# KiCad board oculink-to-pcie-adapter.kicad_pcb (continued)
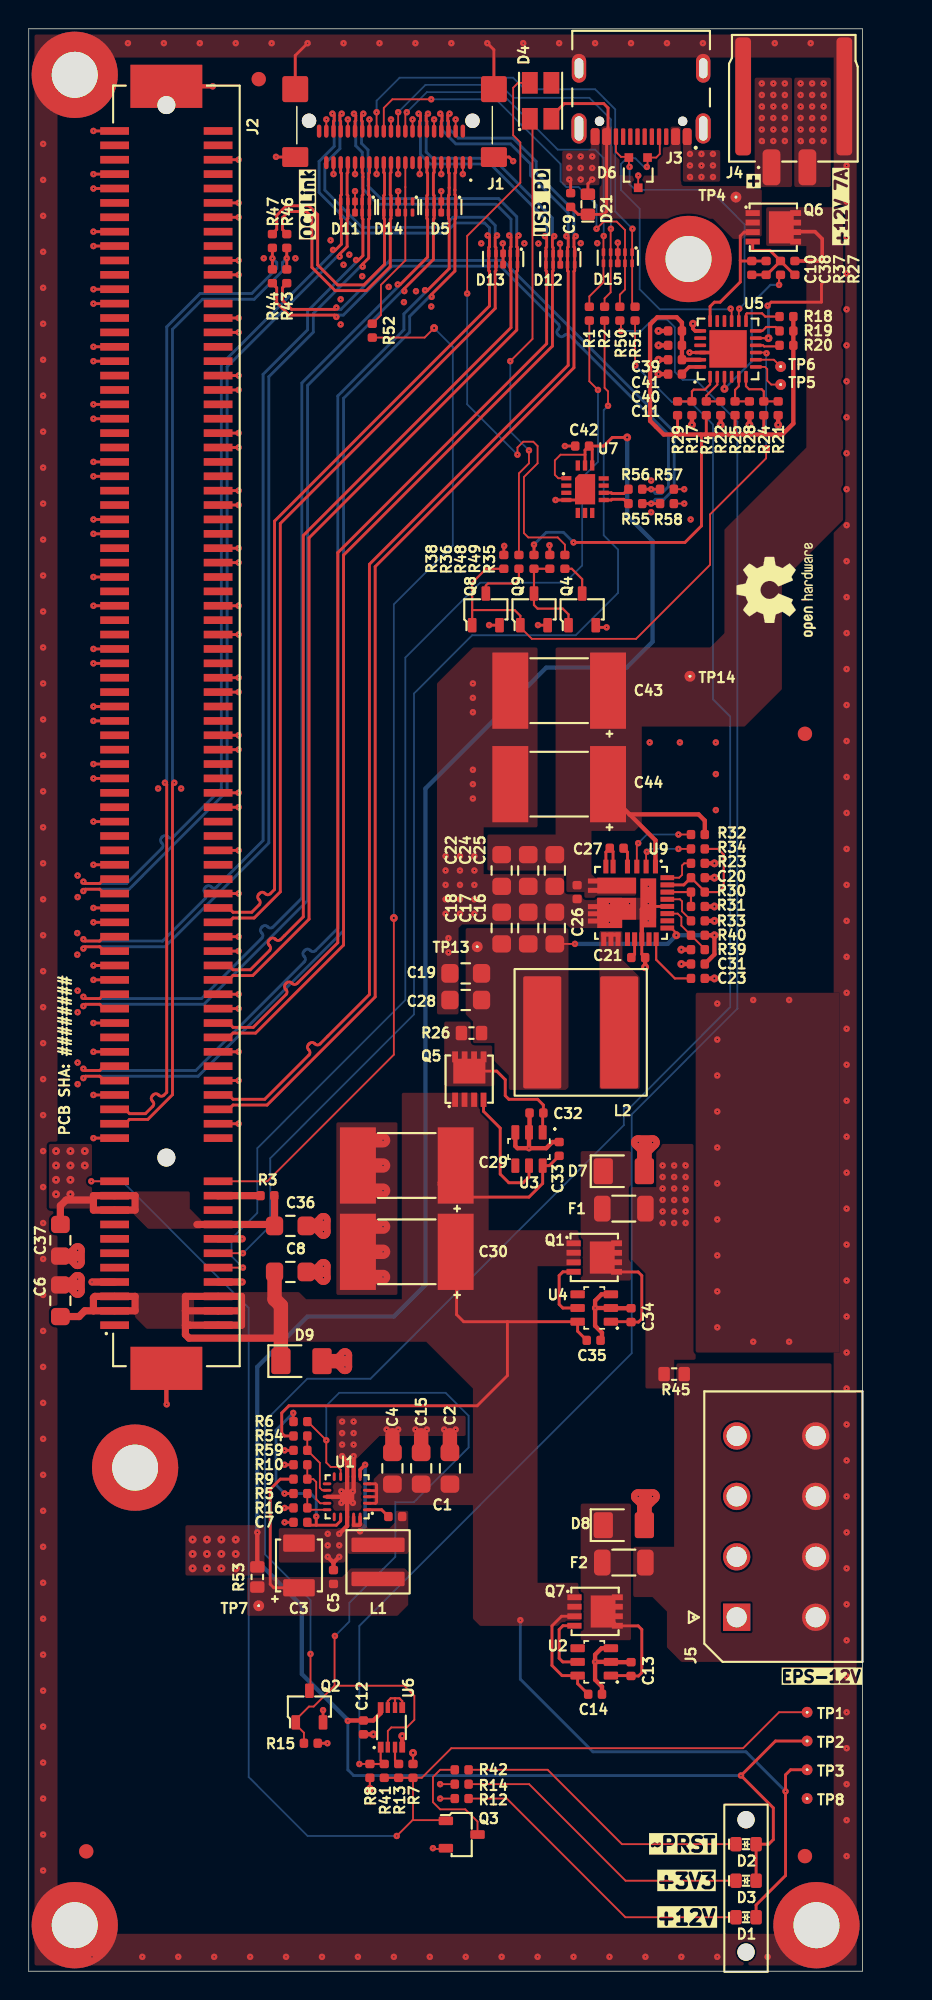
[diagram p0: board, top side]
## Routing (per net, layer and track width the routed paths; a pad name or vN(x,y) marks a point on that pad's centre or on a via; arc(x,y) is an arc through that point) (continued)
VBUS: length 24.4
  Top w0.2: D4.4 36.56,128.94 36.56,129.11 37.25,129.8 40,129.8 40.3,129.5 40.3,128.1 40.2,128 J3.A9 40.2,122.3 40,122.1 D21.1 38.22,122.1 C9.2 ; 49.5,118.9 49.54,118.86 C10.2 R27.2 ; 49.5,118.9 49.5,120.6 49.77,120.87 Q6.3 ; 49.5,118.9 49.5,117.4 48.1,116 47.7,116 47.4,115.7 U5.18
/OCuLink/I2C0.SCL: length 82.1
  Top w0.125: R1.2 39,110.5 v2(39.6,109.9) ; J2.B5 v2(14.9,48.9)
  Bottom w0.125: v2(14.9,48.9) 14.1,49.7 14.1,50.9 15.9,52.7 15.9,57.2 26.2,67.5 26.2,91.3 31.4,96.5 37.3,96.5 38.5,97.7 38.5,103.8 39.6,104.9 v2(39.6,109.9)
/OCuLink/I2C0.SDA: length 82.2
  Top w0.125: R2.2 40.06,110.04 40.3,109.8 v2(40.3,108.8) ; J2.B6 v2(14.9,49.9)
  Bottom w0.125: v2(40.3,108.8) 40,108.5 40,99.8 41,98.8 41,95.8 38.05,92.85 30.85,92.85 26.8,88.8 26.8,66.5 16.8,56.5 16.8,51.8 v2(14.9,49.9)
/OCuLink/I2C0C_SCL: length 28.3
  Top w0.125: v2(26.3,129.2) 26.2,129.1 J1.A9 ; R1.1 39,116.4 39.98,117.38 39.98,120.58 v2(40,120.6)
  Bottom w0.125: v2(40,120.6) 40,126 39.4,126.6 36.8,126.6 32.8,130.6 27.7,130.6 v2(26.3,129.2)
/OCuLink/I2C0C_SDA: length 31.1
  Top w0.125: v2(40.5,121.1) 40.48,121.08 40.48,116.68 40.06,116.26 R2.1 ; J1.A10 v2(25.7,129.2)
  Bottom w0.125: v2(25.7,129.2) 27.6,131.1 32.8,131.1 33.7,130.2 39,130.2 40.5,128.7 v2(40.5,121.1)
/OCuLink/PCIe_{REF0}.CK+: length 69.9
  Top w0.2: v2(10.12,82.6) 10,82.47 10,60.92 8.28,59.2 7.01,59.2 6.71,58.9 J2.A13 ; 17.95,118.33 v2(17.95,119.05) R46.2
  Bottom w0.2: v2(10.12,82.6) 10,82.72 10,114.12 12.08,116.2 15.68,116.2 17.65,118.17 17.65,118.75 v2(17.95,119.05)
/OCuLink/PCIe_{REF0}.CK-: length 69.9
  Top w0.2: v2(9.48,82.6) 9.6,82.47 9.6,61.08 9.39,60.88 arc(9.22,60.81) 9.05,60.88 9.01,60.92 arc(8.84,60.99) 8.67,60.92 8.59,60.83 arc(8.52,60.66) 8.59,60.49 8.63,60.45 arc(8.7,60.28) 8.63,60.11 8.12,59.6 7.01,59.6 6.71,59.9 J2.A14 ; 16.95,118.33 v2(16.95,119.05) R47.2
  Bottom w0.2: v2(16.95,119.05) 17.25,118.75 17.25,118.33 15.52,116.6 11.92,116.6 9.6,114.28 9.6,82.72 v2(9.48,82.6)
/OCuLink/PCIe_{REF0}_R.CK+: length 21.2
  Top w0.2: R46.1 17.95,120.75 17.65,121.06 17.65,121.87 18.08,122.3 19.32,122.3 19.7,121.92 19.7,118.42 21.32,116.8 23.48,116.8 25.15,118.47 25.15,121.77 25.2,121.82 D14.7 D14.4 25.2,123.41 25.15,123.46 25.15,124.96 25.2,125.01 J1.B12
/OCuLink/PCIe_{REF0}_R.CK-: length 21.2
  Top w0.2: R47.1 16.95,120.75 17.25,121.06 17.25,122.03 17.92,122.7 19.48,122.7 20.1,122.08 20.1,118.58 21.48,117.2 23.32,117.2 24.75,118.63 24.75,121.77 24.7,121.82 D14.6 D14.5 24.7,123.41 24.75,123.46 24.75,124.96 24.7,125.01 J1.B13
/OCuLink/PCIe_{x4}.RX0+: length 81.4
  Top w0.2: v2(28.03,116.37) 28.03,116.55 29.65,118.17 29.65,121.77 29.7,121.82 D5.10 D5.1 29.7,123.41 29.65,123.46 29.65,123.8 29.65,123.8 29.65,124.96 29.7,125.01 J1.B3 ; J2.A16 5.24,61.9 4.94,62.2 3.93,62.2 v2(3.8,62.08)
  Bottom w0.2: v2(28.03,116.37) 27.85,116.37 26.5,115.02 26.5,113.92 21.9,109.32 21.9,72.32 11.78,62.2 3.93,62.2 v2(3.8,62.08)
/OCuLink/PCIe_{x4}.RX0-: length 81.4
  Top w0.2: J2.A17 5.24,62.9 4.94,62.6 3.93,62.6 v2(3.8,62.72) ; v2(27.57,116.83) 27.75,116.83 29.25,118.33 29.25,121.77 29.2,121.82 D5.9 D5.2 29.2,123.41 29.25,123.46 29.25,123.95 29.25,123.96 29.25,124.96 29.2,125.01 J1.B4
  Bottom w0.2: v2(27.57,116.83) 27.57,116.65 26.1,115.18 26.1,114.08 21.5,109.48 21.5,72.48 19.95,70.93 arc(19.78,70.86) 19.61,70.93 19.57,70.97 arc(19.4,71.04) 19.23,70.97 19.14,70.88 arc(19.07,70.71) 19.14,70.54 19.18,70.5 arc(19.25,70.33) 19.18,70.17 19.1,70.08 11.62,62.6 3.93,62.6 v2(3.8,62.72)
/OCuLink/PCIe_{x4}.RX1+: length 76.1
  Top w0.2: v2(26.13,116.77) 26.13,116.95 28.15,118.97 28.15,121.77 28.2,121.82 D5.7 D5.4 28.2,123.41 28.15,123.46 28.15,124.96 28.2,125.01 J1.B6 ; J2.A21 5.24,66.9 4.94,67.2 3.93,67.2 v2(3.8,67.08)
  Bottom w0.2: v2(3.8,67.08) 3.93,67.2 12.18,67.2 19.4,74.42 19.4,110.22 25.95,116.77 v2(26.13,116.77)
/OCuLink/PCIe_{x4}.RX1-: length 76.1
  Top w0.2: J1.B7 27.7,125.01 27.75,124.96 27.75,123.46 27.7,123.41 D5.5 D5.6 27.7,121.82 27.75,121.77 27.75,119.13 25.85,117.23 v2(25.67,117.23) ; J2.A22 5.24,67.9 4.94,67.6 3.93,67.6 v2(3.8,67.72)
  Bottom w0.2: v2(25.67,117.23) 25.67,117.05 19,110.38 19,74.58 16.99,72.57 arc(16.82,72.5) 16.65,72.57 16.61,72.61 arc(16.44,72.68) 16.27,72.61 16.18,72.52 arc(16.11,72.35) 16.18,72.18 16.22,72.14 arc(16.29,71.97) 16.22,71.8 12.02,67.6 3.93,67.6 v2(3.8,67.72)
/OCuLink/PCIe_{x4}.RX2+: length 68.6
  Top w0.2: J2.A25 5.24,70.9 4.94,71.2 3.93,71.2 v2(3.8,71.07) ; v2(23.23,118.47) 23.23,118.65 23.65,119.07 23.65,121.77 23.7,121.82 D11.10 D11.1 23.7,123.41 23.65,123.46 23.65,124.54 23.65,124.55 23.65,124.96 23.7,125.01 J1.B15
  Bottom w0.2: v2(23.23,118.47) 23.05,118.47 19.8,115.22 19.8,113.92 16.7,110.82 16.7,78.42 9.48,71.2 3.93,71.2 v2(3.8,71.07)
/OCuLink/PCIe_{x4}.RX2-: length 68.6
  Top w0.2: J1.B16 23.2,125.01 23.25,124.96 23.25,124.7 23.25,124.7 23.25,123.46 23.2,123.41 D11.2 D11.9 23.2,121.82 23.25,121.77 23.25,119.23 22.95,118.93 v2(22.77,118.93) ; J2.A26 5.24,71.9 4.94,71.6 3.93,71.6 v2(3.8,71.72)
  Bottom w0.2: v2(22.77,118.93) 22.77,118.75 19.4,115.38 19.4,114.08 16.3,110.98 16.3,78.58 13.06,75.34 arc(12.89,75.27) 12.72,75.34 12.68,75.38 arc(12.51,75.45) 12.34,75.38 12.25,75.3 arc(12.18,75.13) 12.25,74.96 12.3,74.92 arc(12.37,74.75) 12.3,74.58 9.32,71.6 3.93,71.6 v2(3.8,71.72)
/OCuLink/PCIe_{x4}.RX3+: length 62.5
  Top w0.2: v2(3.8,75.07) 3.93,75.2 4.94,75.2 5.24,74.9 J2.A29 ; J1.B18 22.2,125.01 22.15,124.96 22.15,123.46 22.2,123.41 D11.4 D11.7 22.2,121.82 22.15,121.77 22.15,119.87 21.63,119.35 v2(21.63,119.17)
  Bottom w0.2: v2(3.8,75.07) 3.93,75.2 6.98,75.2 13.8,82.02 13.8,111.52 21.45,119.17 v2(21.63,119.17)
/OCuLink/PCIe_{x4}.RX3-: length 62.5
  Top w0.2: v2(3.8,75.72) 3.93,75.6 4.94,75.6 5.24,75.9 J2.A30 ; v2(21.17,119.63) 21.35,119.63 21.75,120.03 21.75,121.77 21.7,121.82 D11.6 D11.5 21.7,123.41 21.75,123.46 21.75,124.96 21.7,125.01 J1.B19
  Bottom w0.2: v2(3.8,75.72) 3.93,75.6 6.82,75.6 9.27,78.06 arc(9.34,78.23) 9.27,78.4 9.23,78.44 arc(9.16,78.61) 9.23,78.78 9.32,78.86 arc(9.49,78.93) 9.66,78.86 9.7,78.82 arc(9.87,78.75) 10.04,78.82 13.4,82.18 13.4,111.68 21.17,119.45 v2(21.17,119.63)
/OCuLink/PCIe_{x4}.TX0+: length 88.6
  Top w0.2: J2.B14 13.91,59.9 14.21,60.2 16.58,60.2 24.1,67.72 24.1,97.62 37.93,111.45 37.93,118.14 37.98,118.19 D12.10 D12.1 37.98,119.79 37.93,119.84 37.93,120.46 v2(38.05,120.59) ; v2(29.28,129.1) 29.15,128.97 29.15,128.62 29.2,128.57 J1.A3
  Bottom w0.2: v2(29.28,129.1) 29.15,128.97 29.15,128.13 29.88,127.4 33.68,127.4 35.3,125.78 35.3,124.98 37.93,122.35 37.93,120.71 v2(38.05,120.59)
/OCuLink/PCIe_{x4}.TX0-: length 88.6
  Top w0.2: J1.A4 28.7,128.57 28.75,128.62 28.75,128.97 v2(28.62,129.1) ; J2.B15 13.91,60.9 14.21,60.6 16.42,60.6 19.5,63.68 arc(19.57,63.85) 19.5,64.02 19.45,64.06 arc(19.38,64.23) 19.45,64.4 19.54,64.48 arc(19.71,64.55) 19.88,64.48 19.92,64.44 arc(20.09,64.37) 20.26,64.44 20.8,64.99 23.7,67.88 23.7,97.78 37.53,111.61 37.53,118.14 37.48,118.19 D12.9 D12.2 37.48,119.79 37.53,119.84 37.53,120.46 v2(37.4,120.59)
  Bottom w0.2: v2(28.62,129.1) 28.75,128.97 28.75,127.97 29.72,127 33.52,127 34.9,125.62 34.9,124.82 37.53,122.19 37.53,120.71 v2(37.4,120.59)
/OCuLink/PCIe_{x4}.TX1+: length 82.8
  Top w0.2: v2(36.56,120.59) 36.43,120.46 36.43,119.84 36.48,119.79 36.48,118.19 36.43,118.14 36.43,112.95 21.9,98.42 21.9,71.32 15.78,65.2 14.21,65.2 13.91,64.9 J2.B19 ; v2(27.78,129.1) 27.65,128.97 27.65,128.62 27.7,128.57 J1.A6
  Bottom w0.2: v2(36.56,120.59) 36.43,120.71 36.43,121.85 32.28,126 28.08,126 27.65,126.43 27.65,128.97 v2(27.78,129.1)
/OCuLink/PCIe_{x4}.TX1-: length 82.8
  Top w0.2: v2(27.12,129.1) 27.25,128.97 27.25,128.62 27.2,128.57 J1.A7 ; J2.B20 13.91,65.9 14.21,65.6 15.62,65.6 17.9,67.88 arc(17.97,68.05) 17.9,68.22 17.86,68.26 arc(17.79,68.43) 17.86,68.6 17.94,68.69 arc(18.11,68.76) 18.28,68.69 18.32,68.65 arc(18.49,68.58) 18.66,68.65 21.5,71.48 21.5,98.58 36.03,113.11 36.03,118.14 35.98,118.19 35.98,119.79 36.03,119.84 36.03,120.46 v2(35.91,120.59)
  Bottom w0.2: v2(35.91,120.59) 36.03,120.71 36.03,121.69 32.12,125.6 27.92,125.6 27.25,126.27 27.25,128.97 v2(27.12,129.1)
/OCuLink/PCIe_{x4}.TX2+: length 80.8
  Top w0.2: J2.B23 13.91,68.9 14.21,69.2 15.58,69.2 19.5,73.12 19.5,99.62 33.95,114.07 33.95,118.15 34,118.2 D13.10 D13.1 34,119.8 33.95,119.85 33.95,120.51 v2(34.08,120.64) ; J1.A15 23.2,128.57 23.15,128.62 23.15,128.97 v2(23.28,129.1)
  Bottom w0.2: v2(23.28,129.1) 23.15,128.97 23.15,127.03 23.6,126.58 23.6,124.08 24.48,123.2 32.68,123.2 33.95,121.93 33.95,120.76 v2(34.08,120.64)
/OCuLink/PCIe_{x4}.TX2-: length 80.8
  Top w0.2: J1.A16 22.7,128.57 22.75,128.62 22.75,128.97 v2(22.62,129.1) ; J2.B24 13.91,69.9 14.21,69.6 15.42,69.6 16.76,70.94 arc(16.83,71.11) 16.76,71.28 16.72,71.32 arc(16.65,71.49) 16.72,71.66 16.8,71.74 arc(16.97,71.81) 17.14,71.74 17.18,71.7 arc(17.35,71.63) 17.52,71.7 19.1,73.28 19.1,99.78 33.55,114.23 33.55,118.15 33.5,118.2 D13.9 D13.2 33.5,119.8 33.55,119.85 33.55,120.51 v2(33.43,120.64)
  Bottom w0.2: v2(22.62,129.1) 22.75,128.97 22.75,126.87 23.2,126.42 23.2,123.92 24.32,122.8 32.52,122.8 33.55,121.77 33.55,120.76 v2(33.43,120.64)
/OCuLink/PCIe_{x4}.TX3+: length 78.4
  Top w0.2: v2(32.58,120.64) 32.45,120.51 32.45,119.85 32.5,119.8 D13.4 D13.7 32.5,118.2 32.45,118.15 32.45,115.57 17.5,100.62 17.5,75.02 15.68,73.2 14.21,73.2 13.91,72.9 J2.B27 ; v2(21.78,129.1) 21.65,128.97 21.65,128.62 21.7,128.57 J1.A18
  Bottom w0.2: v2(21.78,129.1) 21.65,128.97 21.65,126.67 20.6,125.62 20.6,123.78 23.18,121.2 28.82,121.2 29.52,121.9 31.88,121.9 32.45,121.33 32.45,120.76 v2(32.58,120.64)
/OCuLink/PCIe_{x4}.TX3-: length 78.4
  Top w0.2: J1.A19 21.2,128.57 21.25,128.62 21.25,128.97 v2(21.12,129.1) ; v2(31.93,120.64) 32.05,120.51 32.05,119.85 32,119.8 D13.5 D13.6 32,118.2 32.05,118.15 32.05,115.73 17.1,100.78 17.1,75.18 16.8,74.88 arc(16.63,74.81) 16.46,74.88 16.42,74.92 arc(16.25,74.99) 16.08,74.92 15.99,74.84 arc(15.92,74.67) 15.99,74.5 16.03,74.46 arc(16.11,74.29) 16.03,74.12 15.52,73.6 14.21,73.6 13.91,73.9 J2.B28
  Bottom w0.2: v2(21.12,129.1) 21.25,128.97 21.25,126.83 20.2,125.78 20.2,123.62 23.02,120.8 28.98,120.8 29.68,121.5 31.72,121.5 32.05,121.17 32.05,120.76 v2(31.93,120.64)
/OCuLink/~{CPRSNTC}: length 34.6
  Top w0.125: v2(42,121.1) 41.98,121.08 D15.1 D15.10 41.98,115.88 R51.1 ; J1.A13 v2(24.2,129.2)
  Bottom w0.125: v2(24.2,129.2) 24.2,130 25.8,131.6 33.7,131.6 34.5,130.8 39.4,130.8 40.8,129.4 40.8,122.3 v2(42,121.1)
/OCuLink/~{CPRSNT}: length 116.3
  Top w0.125: v2(19.6,22.05) 19.6,19.57 Q2.3 ; v2(42.2,111.6) 42.18,111.62 R51.2
  Bottom w0.125: v2(19.6,22.05) 19.6,25.8 16.45,28.95 16.45,38.25 19.38,41.17 23.78,41.17 41.4,58.8 41.4,60 41.8,60 48.8,67 48.8,87.2 47.6,88.4 47.6,107.5 46.05,109.05 44.75,109.05 v2(42.2,111.6)
/OCuLink/~{PERSTC}: length 30
  Top w0.125: J1.A12 24.7,129.5 25.3,130.1 v2(28,130.1) ; R50.1 41.12,116.52 41.48,116.88 D15.9 D15.2 41.48,121.02 40.9,121.6 40,121.6 v2(39.5,121.1)
  Bottom w0.125: v2(28,130.1) 32.5,130.1 37,125.6 37,124.4 37.4,124 38.25,124 39.5,122.75 v2(39.5,121.1)
/OCuLink/~{WAKEC}: length 12.1
  Top w0.125: R52.1 24.5,115.1 24.5,117.2 26.2,118.9 D14.9 D14.2 26.2,124 26.2,124 J1.B10
/OCuLink/~{WAKE}: length 73.2
  Top w0.125: R52.2 27.54,113.54 v1(28.2,114.2) ; J2.B11 16.6,54.9 25.4,63.7 v1(25.4,73.2)
  Bottom w0.125: v1(28.2,114.2) 29.5,112.9 29.5,99.1 25.4,95 v1(25.4,73.2)
/PCIe-clock-generator/PCIe_{REF1}_R2.CK+: length 1.9
  Top w0.2: U7.8 40.53,102.25 40.58,102.3 41.4,102.3 41.69,102 R55.1
/PCIe-clock-generator/PCIe_{REF1}_R2.CK-: length 1.9
  Top w0.2: U7.9 40.53,102.75 40.58,102.7 41.4,102.7 41.69,103 R56.1
/PCIe-clock-generator/PCIe_{REF1}_R.CK+: length 42.5
  Top w0.2: R43.1 17.95,117.3 17.65,117 17.65,116.13 18.28,115.5 21.28,115.5 v2(21.4,115.62) ; R58.2 v2(43.3,102) R55.2
  Bottom w0.2: v2(21.4,115.62) 21.53,115.5 21.72,115.5 25.12,118.9 32.98,118.9 44.9,106.98 44.9,103.02 44.18,102.3 43.6,102.3 v2(43.3,102)
/PCIe-clock-generator/PCIe_{REF1}_R.CK-: length 42.5
  Top w0.2: v2(21.4,114.97) 21.28,115.1 18.12,115.1 17.25,115.97 17.25,117 16.95,117.3 R44.1 ; R56.2 v2(43.3,103) R57.2
  Bottom w0.2: v2(43.3,103) 43.6,102.7 44.02,102.7 44.5,103.18 44.5,106.82 37.61,113.7 arc(37.44,113.77) 37.27,113.7 37.23,113.66 arc(37.06,113.59) 36.89,113.66 36.81,113.75 arc(36.74,113.92) 36.81,114.09 36.85,114.13 arc(36.92,114.3) 36.85,114.47 32.82,118.5 25.28,118.5 21.88,115.1 21.53,115.1 v2(21.4,114.97)
/Power/PERST: length 2.7
  Top w0.15: 25.48,18.97 25.48,18.97 U6.6 ; 25.48,18.97 25.78,18.97 25.98,18.77 U6.5 ; 25.48,18.97 25.18,18.97 24.98,18.77 U6.7
/Power/~{PERST_CONN}: length 121.1
  Top w0.125: R50.2 41.2,114.64 v2(41.2,114) ; R8.2 23,14.4 v2(23,14.4)
  Top w0.15: R8.2 R41.1 24.48,14.65 U6.1
  Bottom w0.125: v2(23,14.4) 23,24 41.95,42.95 41.95,59.55 49.3,66.9 49.3,107.7 46.4,110.6 45.5,110.6 44.95,111.15 44.95,114.25 44.4,114.8 43.4,114.8 42.6,114 v2(41.2,114)
/Power/~{PERST}: length 99
  Top w0.125: J2.A11 v2(4.35,54.9) ; TP1.1 52.2,18 49.7,15.5 29.4,15.5 27.34,13.44 R7.2 26.73,10.5 ; 26.73,10.5 26.7,10.5 v2(25.6,9.4) ; 26.73,10.5 28.97,10.5 Q3.1
  Top w0.15: R7.2 R13.2 R41.2
  Bottom w0.125: v2(4.35,54.9) 6.5,54.9 15.3,46.1 15.3,13.5 19.4,9.4 v2(25.6,9.4)
/USB-PD/CC1: length 22.1
  Top w0.125: v2(43,125.4) 43.05,125.45 D6.1 43.65,126.05 43.9,126.3 43.9,127.45 J3.A5 ; v2(48.83,115.55) 48.9,115.48 U5.15
  Bottom w0.125: v2(48.83,115.55) 48.78,115.5 43.9,115.5 42.5,116.9 42.5,122.5 41.2,123.8 41.2,125.6 41.6,126 42.2,126 42.8,125.4 v2(43,125.4)
/USB-PD/CC2: length 20
  Top w0.125: v2(41.8,125.4) 41.75,125.45 D6.2 41.7,126.1 41.2,126.1 40.85,126.45 J3.B5 ; v2(49.43,115.55) 49.4,115.52 U5.14
  Bottom w0.125: v2(41.8,125.4) 41.8,124.2 42.2,123.8 47.4,123.8 49.8,121.4 49.8,115.92 v2(49.43,115.55)
/USB-PD/FAULT: length 42.6
  Top w0.125: U5.9 51.28,112.5 v2(51.33,112.45) ; Q9.1 34.2,93.4 35,92.6 42.25,92.6 47.4,97.75 47.4,101.25 51.3,105.15 v1(51.3,105.8)
  Top w0.15: 30.85,94.6 33.8,94.6 34.2,94.2 Q9.1 ; 30.85,94.6 Q8.1 ; 30.85,94.6 30.85,96.5 31.82,97.47 33.05,97.47
  Bottom w0.125: v1(51.3,105.8) 51.3,112.42 v2(51.33,112.45)
/USB-PD/FLIP: length 1.7
  Top w0.15: R20.1 52.16,112.92 51.16,112.92 51.09,113 U5.10
/USB-PD/GPIO_1: length 1.9
  Top w0.125: U5.8 51.84,112 TP6.1
/USB-PD/ISNK_COARSE: length 2.8
  Top w0.15: R28.2 R25.1 49.14,109.9 49.4,110.16 U5.5
/USB-PD/ISNK_FINE: length 3.7
  Top w0.15: R21.2 51.14,109.1 51.14,109.8 50.99,109.95 50.11,109.95 49.9,110.16 U5.6
/USB-PD/SCL: length 2.9
  Top w0.15: U5.13 49.9,115.16 49.96,115.22 51.01,115.22 51.24,115 R18.1
/USB-PD/SDA: length 1.9
  Top w0.15: 50.59,114 51.04,114 51.31,114.27 51.96,114.27 R19.1
/USB-PD/~{FAULT}: length 7
  Top w0.15: Q4.1 37.55,94.3 37.15,94.7 35.4,94.7 35.15,94.95 Q9.3 R48.1 R49.2
/USB-PD/~{HPI_INT}: length 2.7
  Top w0.125: TP5.1 51.65,110.27 51.38,110.55 51.38,111.35 51.23,111.5 U5.7
Net-(C27-Pad2): length 2.8
  Top w0.2: U9.6 40.15,77.78 C27.2 40.65,77.82 U9.5
Net-(D1-C): length 22
  Top w0.125: D1.1 41.51,3.75 33.26,12 R12.2
Net-(D2-C): length 20.7
  Top w0.125: R42.2 36.1,14 41.27,8.83 D2.1
Net-(D3-C): length 21.4
  Top w0.125: R14.2 34.81,13 41.52,6.29 D3.1
Net-(D4-C_{G}): length 42.5
  Top w0.125: D4.2 34.05,131.25 33.7,130.9 33.7,127.6 34.2,127.1 34.2,124.3 30.5,120.6 v2(30.5,116.6) ; v2(34,105.4) 34,105.9 34.4,106.3 35.1,106.3 35.4,106 35.4,104.8 34.45,103.85 34.45,99.95 34.75,99.65 36.8,99.65 37.3,99.15 R35.2
  Bottom w0.125: v2(30.5,116.6) 30.5,108.9 v2(34,105.4)
Net-(D4-C_{R}): length 32
  Top w0.125: v2(33.5,111.9) 35.05,113.45 35.05,128.73 35.03,128.75 D4.1 ; v2(34.8,105.7) 34.8,104.8 34.1,104.1 R36.2
  Bottom w0.125: v2(34.8,105.7) 33.5,107 v2(33.5,111.9)
Net-(Q1-G): length 4.6
  Top w0.2: U4.5 37.15,46.09 36.9,46.35 36.9,48.35 37.16,48.61 37.96,48.61
Net-(Q3-D): length 8
  Top w0.125: Q3.3 31.22,10.4 30.37,11.25 28.62,11.25 28.12,11.75 28.12,13.5 28.62,14 R42.1
Net-(Q4-D): length 2.5
  Top w0.15: Q4.3 38.5,96.75 37.78,97.47 R35.1
Net-(Q5-G): length 8.8
  Top w0.2: U3.5 34.8,55.2 34.4,54.8 33.4,54.8 32.8,55.4 32.8,58.6 31.64,59.76 Q5.4
Net-(Q6-G): length 6.6
  Top w0.2: Q6.4 50.36,119.64 50.4,119.6 51.56,119.6 R37.2 ; R37.2 51.34,117.9 R27.1 C10.1 ; R37.2 53.26,117.9 C38.1
Net-(Q7-G): length 4.6
  Top w0.2: Q7.4 37.16,24.01 36.9,23.75 36.9,21.75 37.15,21.5 U2.5
Net-(Q8-D): length 3.8
  Top w0.15: Q8.3 31.8,96.3 31.95,96.45 33.85,96.45 34.1,96.7 R36.1
Net-(U6-2Y): length 1.3
  Top w0.15: U6.3 25.48,14.66 R13.1

## Copper pours and planes (outline as drawn; the poured copper is in the pictures)
+3V3 on Top: 4.4,53 4.4,57.5 1.4,57.5 1.4,53
+3V3 on Top: 16.4,27.5 10.9,27.5 10.9,31 16.4,31
+3V3 on Top: 7.3,54.2 11.2,54.2 11.2,53 12,52.2 12,51.6 8.3,51.6 7.3,52.6
+3V3 on Bottom: 1.55,57.5 4.4,57.5 4.4,53 14.9,42.5 14.9,27.5 10.9,27.5 10.9,38 1.55,47.35
+12V on Top: 32,51.5 38.4,51.5 38.4,49 35.4,49 35.4,27 38.9,27 38.9,24 31.4,24 30.9,24.5 30.9,32.4 24,32.4 24,34.2 24.4,34.6 30.9,34.6 30.9,40.5 27.65,43.75 14.8,43.75 14.8,47.2 18.8,47.2 19.3,46.7 25.95,46.7 25.95,61.05 32,61.05
+12V on Top: 7.4,47.15 11.5,47.15 11.5,44.65 8.2,44.65 7.4,45.45
/Power/3V3_CONV on Top: 15.2,27.4 21.8,27.4 22.4,28 26.16,28 26.4,27.76 26.4,25.45 25.65,24.7 15.2,24.7
/Power/3V3_SW on Top: 22.2,29 26.4,29 26.4,32 25.6,32 25.5,31.9 25.5,31.2 25.1,30.8 23.6,30.8 23.2,31.2 22.4,31.2 22.2,31
/Power/Ideal-diode-1/VIN on Top: 41.9,48 41.9,57 38.4,57 38.4,48
/Power/Ideal-diode-2/VIN on Top: 41.9,32.5 38.4,32.5 38.4,23 41.9,23
/Power/VCC_DC_CONN_1 on Top: 46.4,42.5 44.9,42.5 44.9,40.5 42.9,40.5 42.9,48.5 41.9,49.5 41.9,54.5 43.65,54.5 43.65,57.5 46.4,57.5
/Power/VCC_DC_CONN_1 on Top: 50.5,124 53.1,124 53.1,131.6 50.5,131.6
/Power/VCC_DC_CONN_1 on Bottom: 53.2,131.6 53.2,126.2 56.2,123.2 55.9,50.85 43.5,50.85 43.5,59.3 49.8,65.6 49.8,103.6 53,106.8 53,117.4 50.4,120 50.4,131.6
/Power/VCC_DC_CONN_2 on Top: 41.9,29.5 44.9,29.5 44.9,42.25 56.1,42.25 56.1,21.5 45.4,21.5 44.4,22.5 44.4,25 43.4,26 41.9,26
/Power/VCC_PD on Top: 32.4,61.5 32.4,64.5 30.9,64.5 30.9,66 28.9,66 28.9,61.5
/USB-PD/12V_CONV on Top: 30.9,66 30.9,64.5 32.4,64.5 32.4,63.25 33.4,62.25 33.4,61.25 37.37,61.25 37.55,61.44 37.55,72.5 30.4,72.5 30.4,66.5
/USB-PD/12V_SW on Top: 39.7,72.3 39.7,61.3 42.5,61.3 42.5,69.1 41.3,70.3 41.3,72.3
/USB-PD/VCC on Top: 56.65,100.85 52.4,96.6 52.4,89.1 49.8,86.5 42.65,86.5 42.65,79.75 42.15,79.25 39.15,79.25 39.15,76.25 39.4,76 42.25,76 42.25,74.6 38.65,74.6 38.65,75 37.4,75 37.4,76.5 31.9,76.5 31.9,79 36.65,79 36.65,92 47.4,92 48.4,93 48.4,100.2 54.1,105.9 54.1,119.9 51.3,119.9 51.3,122.6 56.65,122.6
GND on Top: 56.4,43 46.4,43 46.4,68 56.4,68
GND on Top: 17.4,28.4 22,28.4 22,30.8 17.4,30.8
GND on Top: 35.4,79.5 31.65,79.5 31.65,76.25 37.4,76.25 37.4,75 38.65,75 38.65,74.6 43.65,74.6 43.65,73.08 41.3,73.08 41.3,72.5 37.7,72.5 37.4,72.75 30.15,72.75 29.9,72.5 29.9,66.5 28.4,66.5 28.4,89.5 30.9,92 35.4,92
GND on Top: 53.2,124 55.8,124 55.8,131.6 53.2,131.6
GND on Top: 22.8,35 22.8,35.6 24.4,37.2 30.4,37.2 30.4,38.6 21.4,38.6 21.4,35
GND on Top: 21.4,59 25.65,59 25.65,47 21.4,47
GND on Top: 39.7,128.07 39.1,128.07 39.1,126.74 39.11,126.73 38.91,126.53 37.11,126.53 37.11,124.13 39.7,124.13
GND on Top: 45.51,128.02 46.11,128.02 46.11,126.69 46.1,126.68 46.2,126.58 48.1,126.58 48.1,124.38 45.51,124.37
GND on Top: 21,32 23.2,32 23.2,34 21,34
GND on Top, Bottom: 2,2 2,133 56,133 56,2.6 -5.6,2.6 -5.6,-1 60.8,-1 60.9,137 -4.6,137 -5.6,136 -5.6,2
GND on Bottom: 22.6,28.4 22.6,31.4 23.2,32 23.2,35.6 30.4,35.6 30.4,38.6 18.8,38.6 17.4,37.2 17.4,28.4
GND on Bottom: 28,82 28,70 42,70 44,68 48.7,68 48.7,86 32,86
GND on In1.Cu, In2.Cu: -5.75,138.15 -5.75,-3.15 71.3,-3.15 71.3,138.15
VBUS on Top: 39.71,128.25 39.71,121.8 47.6,121.8 49,120.4 51,120.4 51,123.8 50.73,124.07 45.51,124.07 45.4,124.19 45.4,128.2 44.6,128.2 43.75,127.35 43.75,124.8 41.1,124.8 41.1,128.17

## Text on the board
F.Mask: OCuLink to PCIe adapter / Rev. 1.0.0  7/2025
F.Silkscreen: PCB SHA: ######## | + | EPS-12V | OCuLink | USB PD | +12V 7A | ~PRST | +3V3 | +12V
